# Allegro board nu_2000_main_210405_gerber_el.brd (continued)
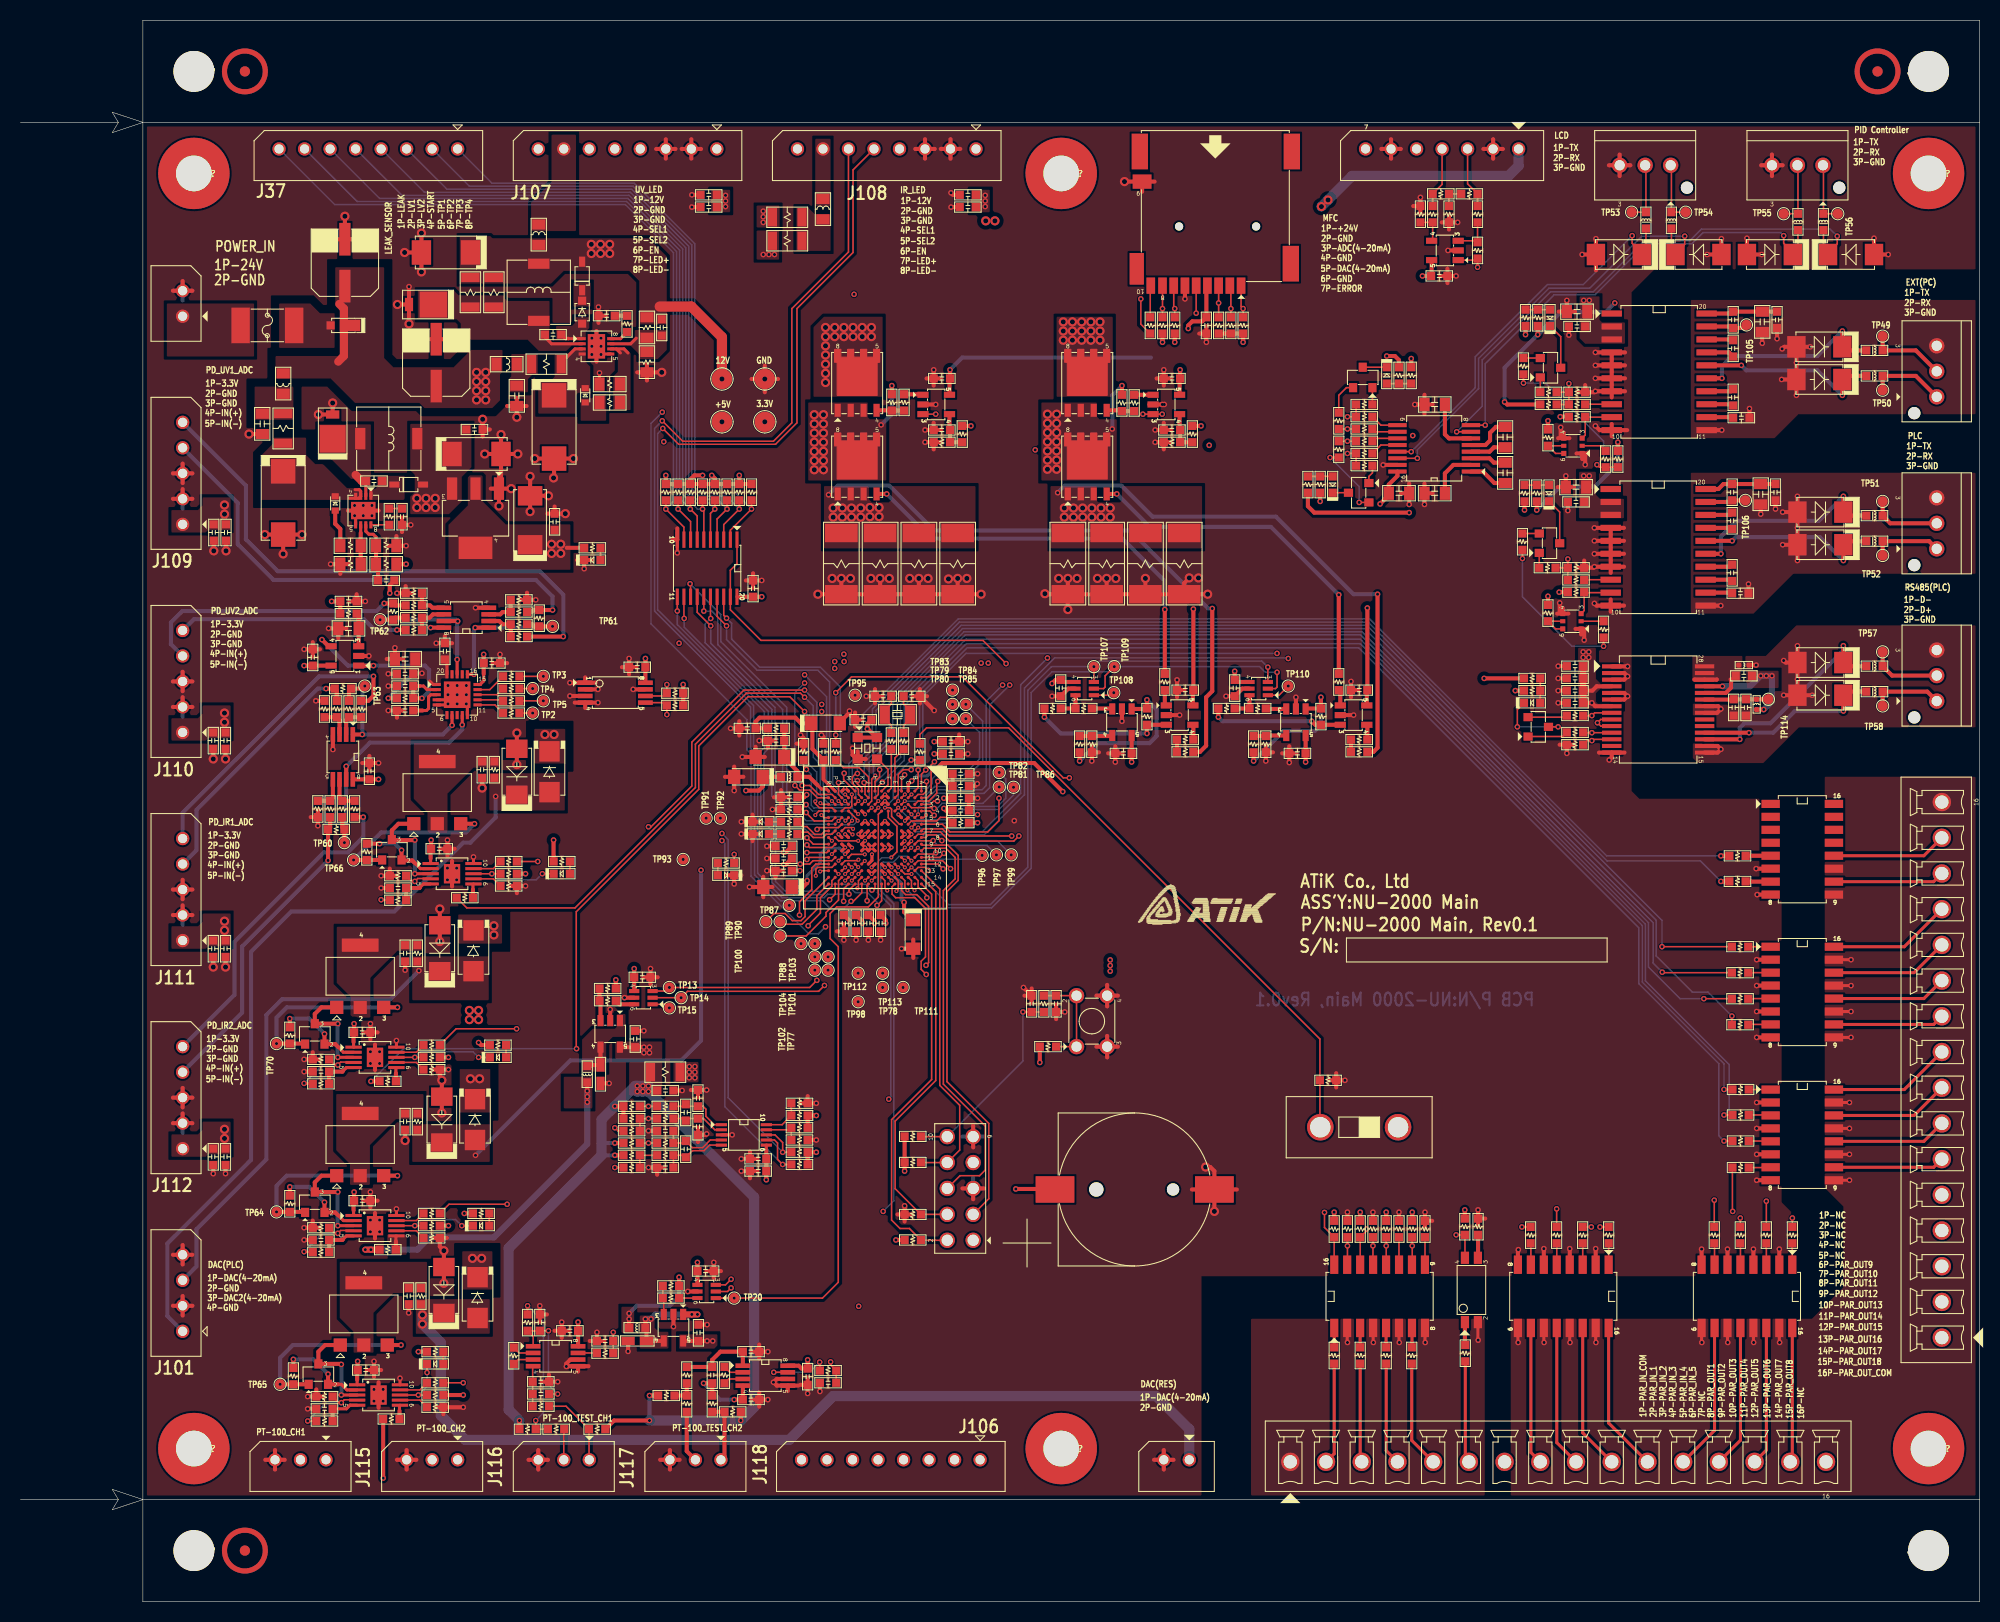
[diagram p0: board, top side]
## Routing (per net, layer and track width the routed paths; a pad name or vN(x,y) marks a point on that pad's centre or on a via; arc(x,y) is an arc through that point) (continued)
VDDA: length 8.9
  TOP w0.3: 78.1,80.05 78.5,79.65 79,79.65 U1.R1
  TOP w0.4: 78.1,80.05 77.3,80.85 L1.2 76.15,81.4 74.85,82.7 C11.1 C24.2 R12.1
ADC1(PT100_1): length 89.6
  TOP w0.15: v1(76.85,89.35) 70.9,89.35 65.8,84.25 65.8,79.95 61.8,75.95 v1(61.55,75.95) ; v1(58.1,26.4) C143.2 R345.1 ; U1.P3 v3(79.53,78.47)
  L3-INT1 w0.1: v1(58.1,26.4) 58.1,28.4 58.3,28.6 58.3,40.9 62.5,45.1 62.5,75 v1(61.55,75.95)
  BOTTOM w0.15: v3(79.53,78.47) 78.7,79.3 78.7,82.3 78.05,82.95 78.05,88.15 v1(76.85,89.35)
ADC2(PT100_2): length 63
  TOP w0.15: U1.R3 78.53,78.15 v3(78.4,78.28) ; v1(79.4,23.5) 79.4,23.2 R351.1 C145.2
  L3-INT1 w0.1: v1(79.4,23.5) 79.4,23.95 74.15,29.2 74.15,44.2 77.1,47.15 77.1,65.45 79.8,68.15 79.8,70.05 78.95,70.9 78.95,77.4 78.5,77.85 78.5,78.17 v3(78.4,78.28)
ADC3(MFC_IN): length 120.6
  TOP w0.15: U1.L1 80.67,80.58 80.67,81.15 v1(80.72,81.2) ; U78.1 142.65,131.5 R384.2 v1(142.8,130.8)
  L3-INT1 w0.1: v1(81.7,128.15) 85.35,128.15 86.4,127.1 86.4,96.75 80.72,91.08 v1(80.72,81.2)
  L4-INT2 w0.1: v1(142.8,130.8) 140.15,128.15 v1(81.7,128.15)
AV_LEAK1_MCU: length 29
  TOP w0.15: U7.18 68.92,96.67 v1(69.2,96.4) ; U1.M2 v3(80.83,79.12)
  BOTTOM w0.15: v3(80.83,79.12) 80.62,79.12 79.6,80.15 79.6,82.4 80.35,83.15 80.35,89.65 78.4,91.6 72.45,91.6 69.7,94.35 69.7,95.9 v1(69.2,96.4)
AV_LEVEL1_MCU: length 29.2
  TOP w0.15: U1.M3 v3(80.83,78.47) ; v1(69.2,95.65) 68.28,96.58 U7.17
  BOTTOM w0.15: v3(80.83,78.47) 79.3,80 79.3,90.15 78.15,91.3 72.2,91.3 69.2,94.3 v1(69.2,95.65)
AV_LEVEL2_MCU: length 34.3
  TOP w0.15: U1.M4 81.95,76.7 81.95,76.65 v3(82.05,76.55) ; v1(67.65,96.38) 67.62,96.4 U7.16
  BOTTOM w0.15: v3(82.05,76.55) 81.65,76.15 80.35,76.15 79.4,75.2 77.4,75.2 73.65,78.95 73.65,87.45 67.1,94 67.1,95.83 v1(67.65,96.38)
AV_PSELECT1: length 57.8
  TOP w0.15: U9.1 63.25,58.55 v1(63.6,58.2) ; U1.F4 85.05,76.85 85.9,76 85.9,73.5 v3(85.35,72.95)
  L4-INT2 w0.1: v1(63.6,58.2) 76.55,58.2 85.1,49.65 v1(85.1,49.25)
  BOTTOM w0.15: v1(85.1,49.25) 85.3,49.45 85.3,68.2 84,69.5 84,72.5 84.4,72.9 85.3,72.9 v3(85.35,72.95)
AV_PSELECT2: length 63.1
  TOP w0.15: U1.G4 84.08,77.17 84.08,69.08 83.1,68.1 80,68.1 79.35,67.45 79.35,65 80.15,64.2 80.15,31.3 78.6,29.75 v1(69.95,29.75) U12.1
AV_PSELECT3: length 59.5
  TOP w0.15: v3(82.75,73.25) 81.45,73.25 U1.M11 ; R272.2 v1(50.2,87.1)
  L3-INT1 w0.1: v1(80.7,92.88) 80.28,92.45 80.28,90.8 79.33,89.85 79.33,79.65 79.15,79.47 79.15,78.15 79.8,77.5 79.8,75.1 80.3,74.6 81.55,74.6 82.75,73.4 v3(82.75,73.25)
  L4-INT2 w0.1: v1(80.7,92.88) 80.42,93.15 54.75,93.15 50.2,88.6 v1(50.2,87.1)
AV_PSELECT4: length 32.5
  TOP w0.15: U76.1 106.9,88.85 v1(107.15,89.1) ; U1.B5 v3(87.97,77.17)
  L4-INT2 w0.1: v1(107.15,89.1) 106.95,89.3 96.8,89.3 v1(96.25,89.85)
  BOTTOM w0.15: v3(87.97,77.17) 87.97,77.83 89.72,79.58 94.22,79.58 94.64,79.99 94.64,88.24 v1(96.25,89.85)
AV_PSELECT5: length 49.3
  TOP w0.15: U77.1 123.35,88.85 v1(124.25,89.75) ; U1.A5 88.5,76.85 v3(88.75,77.1)
  L4-INT2 w0.1: v1(124.25,89.75) 124.05,89.55 97.25,89.55 v1(96.95,89.85)
  BOTTOM w0.15: v1(96.95,89.85) 94.99,87.89 94.99,79.79 94.42,79.22 89.88,79.22 88.62,77.97 88.62,77.22 v3(88.75,77.1)
B_PARA_IN_0: length 10
  TOP w0.3: R81.1 128.75,14.5 J52.2
B_PARA_IN_1: length 9.7
  TOP w0.3: J52.3 131.3,13.85 R82.1
B_PARA_IN_2: length 10.1
  TOP w0.3: R83.1 133.85,14.8 J52.4
B_PARA_IN_3: length 10.5
  TOP w0.3: J52.5 136.35,15.8 R84.1
B_PARA_IN_4: length 10
  TOP w0.3: J52.6 141.6,14.05 R175.1
B_PARA_IN_COM: length 7.2
  TOP w0.3: v1(135.13,25.4) 135.11,25.43 U42.6 ; v1(132.59,25.4) 132.56,25.43 U42.4 ; v1(130.05,25.4) 130.03,25.43 U42.2 ; 142.84,27.05 142.84,25.65 v1(142.86,25.62) ; 137.64,26.82 137.64,25.43 v1(137.67,25.4)
B_PARA_OUT_0: length 13.5
  TOP w0.3: 148.03,26.85 U45.10 148.03,14.62 J52.8
B_PARA_OUT_1: length 13.9
  TOP w0.3: J52.9 150.56,15.59 U45.12 150.56,26.85
B_PARA_OUT_2: length 14.3
  TOP w0.3: 153.1,26.85 U45.14 153.1,16.55 J52.10
B_PARA_OUT_3: length 14.7
  TOP w0.3: J52.11 155.65,17.5 U45.16 155.65,26.85
B_PARA_OUT_4: length 14.4
  TOP w0.3: J52.12 166.03,16.77 U46.10 166.03,26.85
B_PARA_OUT_5: length 14
  TOP w0.3: 168.56,26.85 U46.12 168.56,15.82 J52.13
B_PARA_OUT_6: length 13.6
  TOP w0.3: J52.14 171.1,14.86 U46.14 171.1,26.85
B_PARA_OUT_7: length 13.2
  TOP w0.3: J52.15 173.65,13.89 U46.16 173.65,26.85
B_PARA_OUT_8: length 10.9
  TOP w0.3: J53.6 187.5,42.58 U47.10
B_PARA_OUT_9: length 11.3
  TOP w0.3: J53.7 186.54,45.12 U47.12
B_PARA_OUT_10: length 11.7
  TOP w0.3: J53.8 185.58,47.66 U47.14
B_PARA_OUT_11: length 12.1
  TOP w0.3: U47.16 184.62,50.2 J53.9
B_PARA_OUT_12: length 10.9
  TOP w0.3: J53.10 187.5,56.58 U48.10
B_PARA_OUT_13: length 11.3
  TOP w0.3: U48.12 186.54,59.12 J53.11
B_PARA_OUT_14: length 11.7
  TOP w0.3: J53.12 185.58,61.66 U48.14
B_PARA_OUT_15: length 12.1
  TOP w0.3: U48.16 184.62,64.19 J53.13
B_PARA_OUT_16: length 10.9
  TOP w0.3: J53.14 187.5,70.58 U49.10
B_PARA_OUT_17: length 11.3
  TOP w0.3: J53.15 186.54,73.12 U49.12
B_PARA_OUT_COM: length 23.5
  TOP w0.3: U46.9 164.75,25.43 v1(164.78,25.4) ; v1(169.86,25.4) 169.84,25.43 169.84,26.82 ; 177.75,48.92 v1(179.25,48.92) ; v1(167.32,25.4) 167.29,25.43 U46.11 ; U45.11 149.29,25.43 v1(149.32,25.4) ; U45.15 154.38,25.43 v1(154.4,25.4) ; 177.9,62.92 v1(179.4,62.92) ; 177.75,43.84 v1(179.25,43.84) ; 177.75,46.38 v1(179.25,46.38) ; 151.84,26.82 151.84,25.43 v1(151.86,25.4) ; 177.9,60.38 v1(179.4,60.38) ; v1(146.78,25.4) 146.75,25.43 U45.9 ; 177.9,57.84 v1(179.4,57.84) ; 177.9,55.3 v1(179.4,55.3) ; v1(172.4,25.4) 172.38,25.43 U46.15 ; 177.75,41.3 v1(179.25,41.3)
BOOT0: length 9.3
  TOP w0.15: R8.2 v1(87.3,82.5) ; U1.D6 86.15,76.2 85.38,76.97 85.38,77.67 85.22,77.83 v3(84.72,77.83)
  BOTTOM w0.15: v3(84.72,77.83) 85.55,78.65 85.55,80.75 v1(87.3,82.5)
BOOT1: length 7.1
  TOP w0.15: U1.M6 v3(81.5,76.55) ; R9.2 76.53,77.65 v1(77,78.12)
  BOTTOM w0.15: v3(81.5,76.55) 81.5,77.2 81.2,77.5 77.62,77.5 v1(77,78.12)
BYPASS_REG: length 10.1
  TOP w0.15: v1(77.03,81.58) 76.75,81.85 R7.1 ; U1.L4 v3(82.1,77.2)
  BOTTOM w0.15: v3(82.1,77.2) 81.5,77.8 77.75,77.8 77.5,78.05 77.5,81.1 v1(77.03,81.58)
DAC1: length 62.7
  TOP w0.15: U1.N4 80.83,77.83 81.33,77.83 81.47,77.97 v3(81.47,79.12) ; v1(76.85,88.65) 76.45,89.05 71.15,89.05 66.15,84.05 66.15,79.8 54.35,68 43.75,68 R223.1
  BOTTOM w0.15: v1(76.85,88.65) 77.7,87.8 77.7,82.75 78.4,82.05 78.4,79.05 79.35,78.1 81.05,78.1 81.47,78.53 v3(81.47,79.12)
DAC2: length 81.8
  TOP w0.15: v1(54.5,54.2) 54.48,54.23 54.48,67.62 66.47,79.62 66.47,83.87 71.3,88.7 75.4,88.7 v1(76.85,87.25) ; U1.P4 79.53,77.83 78.3,77.83 77.9,78.22 v3(77.9,78.45)
  TOP w0.4: R231.1 v1(34.35,51)
  BOTTOM w0.15: v1(76.85,87.25) 77.1,87 77.1,82.25 78.03,81.33 78.03,78.58 v3(77.9,78.45) ; v1(54.5,54.2) 37.55,54.2 v1(34.35,51)
DAC_OD_1: length 42.6
  TOP w0.15: R218.1 v1(50.7,72.55) ; U1.D11 v3(86.67,72.62)
  L4-INT2 w0.1: v3(86.67,72.62) 86.62,72.62 85.78,73.47 85.78,75.45 85.08,76.15 73.5,76.15 71.05,73.7 51.85,73.7 v1(50.7,72.55)
DAC_OD_2: length 66.6
  TOP w0.15: U1.D10 v3(86.67,73.92) ; v1(48.62,56.15) 42.7,56.15 R226.1
  L4-INT2 w0.1: v3(86.67,73.92) 85.97,74.62 85.97,75.95 84.85,77.08 83.53,77.08 83.05,77.55 80.7,77.55 79.5,76.35 73.35,76.35 70.9,73.9 51.4,73.9 50.25,72.75 50.25,57.77 v1(48.62,56.15)
DAC_OD_3: length 83.1
  TOP w0.15: U1.C11 v3(87.33,72.62) ; v1(47.7,38.95) 42,38.95 R142.1
  L4-INT2 w0.1: v1(47.7,38.95) 48.4,38.25 v1(84.55,38.25)
  BOTTOM w0.15: v3(87.33,72.62) 86.9,73.05 86.1,73.05 85.55,72.5 84.55,72.5 84.3,72.25 84.3,69.7 85.6,68.4 85.6,39.3 v1(84.55,38.25)
DAC_OD_4: length 93.9
  TOP w0.15: U1.B11 87.97,73.28 89.58,73.28 v1(89.7,73.4) ; R148.1 v1(43.4,21.45)
  L3-INT1 w0.1: v1(89.7,73.4) 89.7,73.2 88.45,71.95 88.45,69.3 88.22,69.08 88.22,58.7 81.85,52.33 81.85,29.25 v1(82.15,28.95)
  L4-INT2 w0.1: v1(82.15,28.95) 80.35,28.95 74.9,23.5 45.45,23.5 v1(43.4,21.45)
EEPROM_SCK: length 38.6
  TOP w0.15: v3(82.12,72.72) 82.03,72.62 80.83,72.62 U1.N12 ; 61.25,88.78 63.08,88.78 R19.1 v1(63.35,89.9)
  L3-INT1 w0.1: v3(82.12,72.72) 80.67,72.72 80.1,73.3 80.1,74.5 79.55,75.05 79.55,77.45 78.95,78.05 78.95,79.62 79.12,79.8 79.12,87.35 v1(78.53,87.95)
  L4-INT2 w0.1: v1(63.35,89.9) 65.03,88.22 78.25,88.22 v1(78.53,87.95)
EEPROM_SDA: length 37
  TOP w0.15: U3.5 63.08,88.12 R20.1 v1(63.35,86.95) ; v3(81.47,71.97) U1.M12
  L3-INT1 w0.1: v3(81.47,71.97) 81.05,72.4 80.5,72.4 80.3,72.2 79.95,72.2 79.15,73 79.15,77.5 78.75,77.9 78.75,79.75 78.92,79.92 78.92,86.85 v1(78.53,87.25)
  L4-INT2 w0.1: v1(78.53,87.25) 77.8,87.97 64.38,87.97 v1(63.35,86.95)
EF_1: length 9.2
  TOP w0.15: R258.1 v1(46.2,71.35) U50.8 ; D62.2 v1(51.15,71.35)
  BOTTOM w0.15: v1(51.15,71.35) 50.55,70.75 46.8,70.75 v1(46.2,71.35)
EF_2: length 10.5
  TOP w0.15: D63.2 v1(44.9,53.35) ; U53.8 v1(38.65,53.35) R260.1
  BOTTOM w0.15: v1(38.65,53.35) 39.2,53.9 44.35,53.9 v1(44.9,53.35)
EF_3: length 8.8
  TOP w0.15: R262.1 v1(38.65,36.85) U4.8 ; D64.2 v1(43.25,36.85)
  BOTTOM w0.15: v1(38.65,36.85) 39.25,37.45 42.65,37.45 v1(43.25,36.85)
EF_4: length 6.1
  TOP w0.15: D65.2 v1(39.85,22.45) ; U43.8 v1(39,20.25) R264.1
  BOTTOM w0.15: v1(39.85,22.45) 39.85,21.1 v1(39,20.25)
FGND1: length 13.2
  TOP w0.4: v1(172.65,122.8) 172.85,123 D84.1 ; D83.1 v1(174.05,118.25) ; D83.1 v1(174.05,121.45) D84.1 ; D83.1 v1(172.6,119.8) ; U74.11 v1(166.74,114.83) ; D84.1 v1(175.4,123) ; 170.7,124.25 v1(170.7,123.35) ; C69.2 v1(169.45,116.95) ; 172.15,124.65 v1(172.15,123.8)
FGND2: length 13.4
  TOP w0.4: 165.15,97.64 v1(166.63,97.64) ; C164.2 v1(170.55,106.6) ; C170.2 v1(169.35,99.75) ; D86.1 v1(174.15,105.25) D85.1 ; D86.1 v1(174.15,108.35) ; D86.1 v1(172.7,106.8) ; D85.1 v1(174.15,102.05) ; D85.1 v1(172.7,103.6) ; v1(172,107.1) C165.2
FGND3: length 16.7
  TOP w0.4: D92.1 v1(175.6,88.85) ; D92.1 v1(172.8,88.85) ; D92.1 v1(174.15,90.4) D93.1 ; U81.16 166.32,83.88 v1(166.65,83.55) 166.32,83.22 165.05,83.22 ; L22.2 v1(170.1,91.8) ; U81.21 166.28,87.12 v1(166.65,87.5) 166.38,87.78 U81.22 ; D93.1 173,92.05 v1(172.8,92.25) ; D93.1 v1(174.15,93.7)
IR1_OUT: length 25.6
  TOP w0.4: v1(29.95,89.5) R291.2 31,89.3 R283.2
  BOTTOM w0.4: J111.4 17.25,73.65 17.25,77.6 29.15,89.5 v1(29.95,89.5)
IR1_OUT_ADC: length 18.7
  TOP w0.3: U28.7 v1(42.3,85.9)
  TOP w0.4: v1(33.75,89.75) 33.5,89.5 R291.1 32.2,89.3 R281.1 ; U55.1 v1(33.5,85)
  BOTTOM w0.4: v1(33.75,89.75) 33.5,89.5 v1(33.5,85) 41.4,85 v1(42.3,85.9)
IR2_OUT: length 31
  TOP w0.4: R287.2 30.35,75.9 R292.2 v1(30.15,72.65)
  BOTTOM w0.4: J112.4 21.73,57.73 21.73,64.22 v1(30.15,72.65)
IR2_OUT_ADC: length 25.7
  TOP w0.3: U28.9 v1(43.3,85.95)
  TOP w0.4: R285.1 31.55,75.9 R292.1 v1(31.75,74.4) ; U55.7 v1(31.93,81.88)
  BOTTOM w0.4: v1(43.3,85.95) 43.3,85.5 42,84.2 34.25,84.2 v1(31.93,81.88) 31.93,74.58 v1(31.75,74.4)
IR_CUR_ONOFF: length 57.1
  TOP w0.15: U1.B6 v3(87.33,75.88) ; v1(111.9,116.4) U62.3 v1(110,116.4)
  L3-INT1 w0.1: v1(100.65,92.5) 101,92.5 110,101.5 v1(110,116.4)
  BOTTOM w0.15: v3(87.33,75.88) 87.72,75.47 94.28,75.47 98.03,79.22 98.03,89.88 v1(100.65,92.5)
IR_LED-:
  vias: v2(102.2,125.45) v2(102.2,124.55) v2(102.2,123.65) v2(103.1,125.45) v2(103.1,124.55) v2(103.1,123.65) v2(104,125.45) v2(104,124.55) v2(104,123.65) v2(104.9,125.45) v2(104.9,124.55) v2(104.9,123.65) v2(105.8,125.45) v2(105.8,124.55) v2(105.8,123.65)
IR_LED_CUR_SEL1: length 79.2
  TOP w0.15: U1.M7 81.5,75.2 v3(81.55,75.2)
  L3-INT1 w0.1: J108.4 96.85,131.7 96.85,96.67 85.1,84.92 85.1,77.5 83.5,75.9 82.25,75.9 v3(81.55,75.2)
IR_LED_CUR_SEL2: length 103.8
  TOP w0.15: v1(62.95,115) 64.5,113.45 74,113.45 76.1,115.55 76.1,126.75 81.6,132.25 81.6,140.35 J108.5 ; v1(81.2,69.35) 81.2,69.75 U1.L15
  BOTTOM w0.15: v1(81.2,69.35) 79.1,69.35 78.75,69 74.65,69 72.25,71.4 72.25,83.37 71.85,83.77 71.85,87.82 62.45,97.22 62.45,114.5 v1(62.95,115)
IR_LED_EN: length 105.7
  TOP w0.15: v1(62.9,115.75) 64.9,113.75 73.8,113.75 75.6,115.55 75.6,126.75 81.15,132.3 J108.6 ; v1(81.4,68.65) 81.62,68.65 82.45,69.47 U1.K15
  BOTTOM w0.15: v1(81.4,68.65) 80.65,67.9 79.4,67.9 78.6,68.7 74.5,68.7 71.95,71.25 71.95,83.25 71.55,83.65 71.55,87.7 62.15,97.1 62.15,115 v1(62.9,115.75)
LED GRN: length 3.7
  TOP w0.15: U1.R7 78.85,75.55 78.5,75.2 77.85,75.2 77.08,75.97 76.62,75.97 R10.1
LED_RED: length 4.3
  TOP w0.15: R11.1 76.33,75.42 77.17,75.42 77.7,74.9 78.65,74.9 78.97,75.22 79.53,75.22 U1.P7
LED_YEL: length 12.6
  TOP w0.15: R255.1 v1(69.95,73.25) ; v1(78.08,75.7) 78.25,75.88 80.17,75.88 U1.N6
  L4-INT2 w0.1: v1(69.95,73.25) 71.05,73.25 73.5,75.7 v1(78.08,75.7)
MAV_LEAK1: length 62.1
  TOP w0.15: 69.58,104.1 69.58,105.03 v1(71.65,107.1) R40.1
  BOTTOM w0.15: v1(71.65,107.1) 70.1,108.65 66.65,108.65 66.1,109.2 66.1,133.1 60.15,139.05 46.2,139.05 J37.1
MAV_LEVEL1: length 63.2
  TOP w0.15: U7.3 68.92,105.58 v1(70.45,107.1) R39.1
  BOTTOM w0.15: J37.2 44,138.75 60.03,138.75 65.8,132.98 65.8,109.08 66.53,108.35 69.2,108.35 v1(70.45,107.1)
MAV_LEVEL2: length 64.4
  TOP w0.15: U7.4 68.28,106.12 v1(69.25,107.1) R38.1
  BOTTOM w0.15: v1(69.25,107.1) 68.3,108.05 66.25,108.05 65.5,108.8 65.5,132.85 59.9,138.45 41.8,138.45 J37.3
MFC_DAC: length 175.6
  L3-INT1 w0.4: v1(63.05,113.7) 62.65,113.3 62.65,96.85 66.55,92.95 66.55,71.85 v1(66.7,71.7)
  L4-INT2 w0.6: J119.5 123.83,129.4 74.2,129.4 63.85,119.05 63.85,114.5 v1(63.05,113.7)
  BOTTOM w0.4: v1(66.7,71.7) 66.7,55 64.75,53.05 53.9,53.05 v1(44.6,43.75)
MFC_ERROR: length 149.6
  TOP w0.15: U1.M13 v3(80.83,71.33)
  L3-INT1 w0.1: v1(78.9,66.15) 80.25,67.5 80.25,70.75 v3(80.83,71.33)
  L4-INT2 w0.1: v1(62.9,116.6) 62.9,119.5 73.95,130.55 123.3,130.55 131.82,139.07 J119.7
  BOTTOM w0.15: v1(78.9,66.15) 78.2,65.45 77.25,65.45 71.6,71.1 71.6,83.1 71.2,83.5 71.2,86.45 61.8,95.85 61.8,115.5 v1(62.9,116.6)
MSTART_IN: length 65.4
  TOP w0.15: U7.5 67.62,106.67 v1(68.05,107.1) R37.1
  BOTTOM w0.15: v1(68.05,107.1) 67.45,107.7 66.18,107.7 65.2,108.68 65.2,132.73 59.78,138.15 39.6,138.15 J37.4
NRST: length 77.4
  TOP w0.15: v1(79.9,89.1) 81.45,90.65 92.3,90.65 102.2,80.75 v1(102.8,80.75) ; R23.1 88.27,45.58 J34.10 ; R4.1 C2.2 v1(98.25,57.8) ; R3.1 v1(79.9,84.95)
  L3-INT1 w0.1: v1(102.8,80.75) 102.8,62.35 v1(98.25,57.8)
  BOTTOM w0.15: v1(98.25,57.8) 98.25,53 J34.10 ; v1(79.9,84.95) v1(79.9,89.1)
PARA_IN_0: length 80.4
  TOP w0.15: v1(89.58,82.33) 89.25,82 89.25,79.2 88.85,78.8 U1.A2 ; v1(127.8,38.15) 127.8,36.67 R85.1 128.75,33.03 128.75,33.02
  L4-INT2 w0.1: v1(89.58,82.33) 89.88,82.33 91.7,80.5 91.7,73.6 92.5,72.8 92.5,55.85 96.3,52.05 112.54,52.05 126.44,38.15 v1(127.8,38.15)
PARA_IN_1: length 81.8
  TOP w0.15: v1(131.93,36.52) 131.93,36.35 R86.1 131.3,33.03 131.3,33.02 ; v1(88.72,81.53) 88.3,81.1 U1.A1
  L4-INT2 w0.1: v1(88.72,81.53) 89.15,81.1 90.8,81.1 91.5,80.4 91.5,73.52 92.3,72.72 92.3,55.77 96.22,51.85 112.46,51.85 127.78,36.52 v1(131.93,36.52)
PARA_IN_2: length 113.8
  TOP w0.15: 133.83,33.02 133.85,33.04 v1(133.85,34.88) R87.1 ; v1(87.97,81.53) 87.97,79.78 U1.B1
  L3-INT1 w0.1: v1(133.85,34.88) 132.62,36.1 129,36.1 122.7,42.4 122.7,92.5 v1(123.15,92.95)
  BOTTOM w0.15: v1(123.15,92.95) 92.66,92.95 88.42,88.72 88.42,81.97 v1(87.97,81.53)
PARA_IN_3: length 84.9
  TOP w0.15: 136.38,33.02 136.4,33.05 v1(136.4,34.88) R88.1 ; U1.B2 87.97,79.12 88.47,79.12 88.8,79.45 v1(88.8,80.4)
  L4-INT2 w0.1: v1(136.4,34.88) 135.68,35.6 128.14,35.6 112.29,51.45 96.05,51.45 91.9,55.6 91.9,72.55 91.1,73.35 91.1,79.25 90.95,79.4 89.8,79.4 v1(88.8,80.4)
PARA_IN_4: length 89.6
  TOP w0.15: U1.B3 87.97,78.47 89.03,78.47 89.8,79.25 89.8,80.3 v1(89.9,80.4) ; U73.4 141.56,35.94 R171.1 v1(140.7,35.95)
  L4-INT2 w0.1: v1(140.7,35.95) 140.55,35.8 128.22,35.8 112.37,51.65 96.13,51.65 92.1,55.68 92.1,72.63 91.3,73.43 91.3,79.35 91.05,79.6 90.7,79.6 v1(89.9,80.4)
PARA_OUT_0: length 100.5
  TOP w0.15: U1.R8 v3(79.53,74.58) ; R188.1 v1(147.15,36.73)
  L4-INT2 w0.1: v3(79.53,74.58) 79.17,74.22 79.17,71.73 76.4,68.95 76.4,68.45 75.22,67.27 75.22,62.02 86.7,50.55 111.85,50.55 128.6,33.8 144.22,33.8 v1(147.15,36.73)
PARA_OUT_1: length 106.9
  TOP w0.15: v3(82.1,74.58) 80.17,74.58 U1.P8 ; R180.1 v1(150.55,38.5)
  L4-INT2 w0.1: v3(82.1,74.58) 81.9,74.38 81.9,73.58 77.08,68.75 77.08,66.97 75.9,65.8 75.9,62.3 86.97,51.23 112.2,51.23 128.97,34.45 143.56,34.45 146.91,37.8 149.85,37.8 v1(150.55,38.5)
PARA_OUT_2: length 110.1
  TOP w0.15: U1.P9 79.53,73.92 77.33,73.92 v1(77.08,74.17) ; v1(153.95,36.73) R178.1
  L4-INT2 w0.1: v1(77.08,74.17) 77.55,73.7 77.55,72.15 74.65,69.25 74.65,62.15 ; 74.65,62.15 74.65,61.95 86.45,50.15 111.6,50.15 128.45,33.3 144.9,33.3 148.32,36.73 v1(153.95,36.73) ; 74.65,62.15 74.7,62.1
PARA_OUT_3: length 111
  TOP w0.15: U1.R9 77.7,74.25 v1(77.08,74.88) ; R176.1 v1(154.8,36.73)
  L4-INT2 w0.1: v1(154.8,36.73) 154.38,37.15 148.4,37.15 144.8,33.55 128.57,33.55 111.77,50.35 86.6,50.35 74.9,62.05 74.9,69.2 77.9,72.2 77.9,74.05 v1(77.08,74.88)
PARA_OUT_4: length 120.7
  TOP w0.15: U1.P10 v3(79.53,73.28) ; v1(166,39.35) R198.1 166,36.38
  L4-INT2 w0.1: v3(79.53,73.28) 79.53,71.8 76.64,68.91 76.64,68.34 75.42,67.12 75.42,62.1 86.78,50.75 112,50.75 128.75,34 143.75,34 147.1,37.35 163.25,37.35 165.15,39.25 165.9,39.25 v1(166,39.35)
PARA_OUT_5: length 125.2
  TOP w0.15: R193.1 v1(168.55,37.6) ; v1(77.08,73.42) 79.03,73.42 U1.R10
  L4-INT2 w0.1: v1(168.55,37.6) 164.82,37.6 162.97,35.75 149.4,35.75 146.28,32.63 127.85,32.63 110.99,49.49 85.94,49.49 73.97,61.45 73.97,70.78 76.62,73.42 v1(77.08,73.42)
PARA_OUT_6: length 125.1
  TOP w0.15: U1.N11 v3(80.17,72.62) ; v1(171.1,39.25) R191.1
  L4-INT2 w0.1: v3(80.17,72.62) 80.17,72.15 76.85,68.83 76.85,67.05 75.65,65.85 75.65,62.2 86.87,50.98 112.09,50.98 128.87,34.2 143.67,34.2 147.02,37.55 163.17,37.55 165.67,40.05 170.3,40.05 v1(171.1,39.25)
PARA_OUT_7: length 130.1
  TOP w0.15: U1.P11 79.53,72.62 77.67,72.62 77.35,72.3 v1(76.42,72.3) ; R189.1 v1(173.65,37.6)
  L4-INT2 w0.1: v1(76.42,72.3) 76.1,72.3 74.42,70.62 74.42,61.62 86.1,49.95 111.18,49.95 128.04,33.1 146.05,33.1 149.2,36.25 162.82,36.25 165.27,38.7 172.55,38.7 v1(173.65,37.6)
PARA_OUT_8: length 127.2
  TOP w0.15: v1(167.8,38.25) 167.78,38.27 167.78,42.55 ; U1.R11 77.3,72.95 77.1,72.75 v1(77.08,72.75)
  L4-INT2 w0.1: v1(167.8,38.25) 165.13,38.25 162.88,36 149.35,36 146.23,32.88 127.95,32.88 111.09,49.73 86.02,49.73 74.2,61.55 74.2,70.7 76.38,72.88 76.95,72.88 v1(77.08,72.75)
PARA_OUT_9: length 120.5
  TOP w0.15: 167.78,45.15 v1(166.95,45.15) ; v1(87.3,81.55) 86.5,81.55 86.03,81.08 86.03,79.12 U1.E2
  BOTTOM w0.15: v1(87.3,81.55) 88.12,82.38 88.12,88.84 92.78,93.5 131.15,93.5 158.6,66.05 158.6,60.58 166.45,52.73 166.45,45.65 v1(166.95,45.15)
PARA_OUT_10: length 121.4
  TOP w0.15: 167.78,47.7 v1(166.95,47.7) ; U1.H3 v3(84.08,78.47)
  BOTTOM w0.15: v1(166.95,47.7) 167.45,48.2 167.45,52.65 159.25,60.85 159.25,66.4 131.3,94.35 92.67,94.35 86.25,87.92 86.25,82.75 83.8,80.3 83.8,78.75 v3(84.08,78.47)
PARA_OUT_11: length 116.7
  TOP w0.15: 167.78,50.2 v1(166.95,50.2) ; U1.H2 84.08,79.12 84.08,79.92 v1(84.47,80.33)
  BOTTOM w0.15: v1(84.47,80.33) 86.6,82.45 86.6,87.8 92.7,93.9 131.32,93.9 158.95,66.27 158.95,60.73 166.95,52.73 v1(166.95,50.2)
PARA_OUT_12: length 114.8
  TOP w0.15: v1(82.67,80.28) 82.78,80.17 82.78,79.12 U1.J2 ; R214.1 v1(167.72,57.4)
  BOTTOM w0.15: v1(167.72,57.4) 165.38,59.75 163.85,59.75 160.3,63.3 160.3,66.8 131.72,95.38 92.33,95.38 85.15,88.2 85.15,84.7 82.67,82.22 v1(82.67,80.28)
PARA_OUT_13: length 113.1
  TOP w0.15: v3(83.78,80.97) 83.42,80.62 83.42,78.47 U1.J3 ; R209.1 v1(164.97,59.1)
  BOTTOM w0.15: v3(83.78,80.97) 83.6,81.15 83.6,82.15 85.9,84.45 85.9,88.07 92.59,94.76 131.34,94.76 159.55,66.55 159.55,62.2 162.65,59.1 v1(164.97,59.1)
PARA_OUT_14: length 112.5
  TOP w0.15: R208.1 160.95,61.65 v1(160.9,61.7) ; U1.K3 v3(82.78,78.47)
  BOTTOM w0.15: v3(82.78,78.47) 83.17,78.88 83.17,82.28 85.5,84.6 85.5,88.09 92.47,95.06 131.49,95.06 160,66.55 160,62.6 v1(160.9,61.7)
PARA_OUT_15: length 111.9
  TOP w0.15: U1.K2 82.12,79.12 82.12,79.62 81.53,80.22 81.53,80.83 81.88,81.17 v1(82.03,81.17) ; v1(160.88,64.2) R207.1
  BOTTOM w0.15: v1(82.03,81.17) 82.03,82.03 83.85,83.85 83.85,87.35 92.2,95.7 131.95,95.7 160.88,66.78 v1(160.88,64.2)
PARA_OUT_16: length 107.3
  TOP w0.15: U1.K1 82.45,79.75 82.03,80.17 v1(82.03,80.47)
  TOP w0.4: R216.1 v1(166.65,70.6)
  BOTTOM w0.15: v1(82.03,80.47) 81.97,80.53 81.9,80.53 81.53,80.9 81.53,82.03 83.5,84 83.5,87.5 92.02,96.03 132.07,96.03 155.5,72.6 164.65,72.6 v1(166.65,70.6)
PARA_OUT_17: length 108.3
  TOP w0.15: U1.L3 v3(82.12,78.47)
  TOP w0.4: R215.1 v1(166.65,73.1)
  BOTTOM w0.15: v3(82.12,78.47) 81.88,78.72 81.88,79.83 81.2,80.5 81.2,82.15 82.45,83.4 82.45,86.87 91.9,96.33 132.22,96.33 155.45,73.1 v1(166.65,73.1)
PDR_ON: length 4.8
  TOP w0.15: R5.2 90.83,76.88 90.15,76.88 89.8,76.53 87.33,76.53 U1.C6
READ_SENSOR: length 63
  TOP w0.15: v1(96.6,91.95) 94.33,94.22 72.58,94.22 69.58,97.22 69.58,101.1 70.22,101.75 U7.1 ; U1.B12 87.97,72.62 90.38,72.62 v1(91.15,71.85)
  L3-INT1 w0.1: v1(96.6,91.95) 95.05,90.4 95.05,75.15 91.75,71.85 v1(91.15,71.85)
RS232_RX1: length 111.5
  TOP w0.15: v1(88.75,62.38) 89,62.62 89,68.15 87.85,69.3 86.75,69.3 86.35,69.7 U1.D15 ; R396.2 R395.1 R405.2 ; R396.2 v1(151.75,119.4) ; R396.2 R364.2
  L3-INT1 w0.1: v1(151.75,119.4) 150.7,119.4 127.75,96.45 105.25,96.45 96.35,87.55 96.35,69.47 89.25,62.38 v1(88.75,62.38)
RS232_RX2: length 94.2
  TOP w0.15: v1(75.9,80) 76.35,79.55 77.35,79.55 78.1,78.8 U1.R2 ; R368.2 R394.2 ; R394.2 v1(151.65,102.2) ; R394.2 R393.1
  L4-INT2 w0.1: v1(151.65,102.2) 151.2,101.75 146.17,101.75 137.85,93.43 104.82,93.43 101.83,90.45 82.65,90.45 75.9,83.7 v1(75.9,80)
RS232_RX3: length 98.5
  TOP w0.15: R356.2 R47.1 v1(130.05,112.55) ; U1.R13 78.45,71.65 v3(78.38,71.58)
  L3-INT1 w0.1: v3(78.38,71.58) 78.72,71.92 78.72,75.75 77.5,76.97 77.5,79.9 78.08,80.47 78.08,89.75 v1(79.8,91.47)
  L4-INT2 w0.1: v1(130.05,112.55) 130.05,112.1 134.32,107.83 134.32,97.62 130.81,94.1 104.5,94.1 101.5,91.1 80.17,91.1 v1(79.8,91.47)
RS232_RX4: length 92.4
  TOP w0.15: v1(130.05,116.15) R48.1 R360.2 ; U1.N2 80.17,79.12 v1(80.17,80.28)
  L3-INT1 w0.1: v1(80.72,92.15) 80.47,91.9 80.47,83.42 80.17,83.12 v1(80.17,80.28)
  L4-INT2 w0.1: v1(130.05,116.15) 129.35,115.45 129.35,112.15 133.93,107.57 133.93,97.78 130.64,94.5 104.33,94.5 101.33,91.5 81.3,91.5 80.72,92.08 v1(80.72,92.15)
RS232_TX1: length 124.7
  TOP w0.15: U1.E15 85.42,70.08 85.42,69.35 85.78,69 87.65,69 88.7,67.95 88.7,63.2 88.28,62.77 88.28,61.98 v1(88.78,61.48) ; R363.2 v1(147.3,119.45) ; R404.2 R397.1 154.75,111.2 v1(154.5,111.45)
  L3-INT1 w0.1: v1(154.5,111.45) 154,110.95 142.6,110.95 127.89,96.24 105.39,96.24 96.55,87.4 96.55,69.33 88.78,61.55 v1(88.78,61.48)
  BOTTOM w0.15: v1(154.5,111.45) 155.15,112.1 155.15,113.75 149.45,119.45 v1(147.3,119.45)
RS232_TX2: length 105.3
  TOP w0.15: R367.2 v1(147.2,102.25) ; U1.P2 79.53,79.12 78.22,79.12 77.35,80 v1(76.6,80) ; R402.1 v1(155.15,93.65)
  L4-INT2 w0.1: v1(76.85,90.05) 76.85,90.1 77.4,90.65 101.75,90.65 104.75,93.65 137.76,93.65 146.36,102.25 v1(147.2,102.25)
  BOTTOM w0.15: v1(147.2,102.25) 147.2,98.5 152.05,93.65 v1(155.15,93.65) ; v1(76.85,90.05) 75.9,89.1 75.9,80.7 v1(76.6,80)
RS232_TX3: length 110.7
  TOP w0.15: U1.R12 77.95,72.3 77.55,71.9 77.55,69.8 76.35,68.6 v1(76.35,67.3) ; R355.2 v1(130.05,113.75) R45.1
  L3-INT1 w0.1: v1(79.8,92.15) 77.88,90.22 77.88,80.62 75.97,78.72 75.97,67.67 v1(76.35,67.3)
  L4-INT2 w0.1: v1(79.8,92.15) 80.65,91.3 101.42,91.3 104.42,94.3 130.72,94.3 134.12,97.7 134.12,107.72 129.55,112.3 129.55,113.25 v1(130.05,113.75)
RS232_TX4: length 95.7
  TOP w0.15: R359.2 v1(130.05,114.95) R46.1 ; U1.N3 v3(80.17,78.47)
  L4-INT2 w0.1: v1(130.05,114.95) 130.5,114.5 130.5,111.95 134.55,107.9 134.55,97.53 130.9,93.88 104.62,93.88 101.6,90.85 v1(76.85,90.85)
  BOTTOM w0.15: v1(76.85,90.85) 79,88.7 79,79.65 v3(80.17,78.47)
RS485_INV: length 75.6
  TOP w0.15: U1.B7 v3(87.97,75.88) ; U81.12 154.12,84.53 v1(154,84.4) 153.55,84.4 R403.2
  L4-INT2 w0.1: v1(93.8,77.15) 96.75,74.2 141.5,74.2 151.7,84.4 v1(154,84.4)
  BOTTOM w0.15: v1(93.8,77.15) 92.42,75.78 88.08,75.78 v3(87.97,75.88)
RS485_RTS: length 75.7
  TOP w0.15: v1(97.85,75.05) 97.35,74.55 91.05,74.55 90.15,75.45 88.7,75.45 88.47,75.22 87.97,75.22 U1.B8 ; U81.9 154.88,86.47 v1(154.55,86.15) 154.88,85.83 U81.10
  L4-INT2 w0.1: v1(97.85,75.05) 98.25,74.65 141.3,74.65 151.5,84.85 152.95,84.85 154.25,86.15 v1(154.55,86.15)
RS485_RX: length 89.2
  TOP w0.15: R371.2 v1(154,86.85) 154.28,87.12 U81.8 ; U1.C10 v3(87.3,73.9)
  L4-INT2 w0.1: v1(124.25,92.45) 125,93.2 151.65,93.2 153.55,91.3 153.55,87.3 v1(154,86.85)
  BOTTOM w0.15: v1(124.25,92.45) 124.2,92.5 101.35,92.5 98.4,89.55 98.4,79.1 94.47,75.17 88.58,75.17 v3(87.3,73.9)
RS485_TX: length 73.6
  TOP w0.15: U1.A7 88.5,75.75 90.35,75.75 91.05,75.05 v1(97.15,75.05) ; U81.11 v1(154,85.17) 153.18,85.17 R372.2
  L4-INT2 w0.1: v1(154,85.17) 153.45,84.62 152.3,84.63 151.61,84.63 141.38,74.4 97.8,74.4 v1(97.15,75.05)
RTD_SCK: length 55.4
  TOP w0.15: R157.1 v1(74.7,44.05) 74.7,45 73.95,45.75 U44.8 ; U1.H4 v3(84.08,77.83)